# KiCad board Kanagawa_rgb_ansi.kicad_pcb
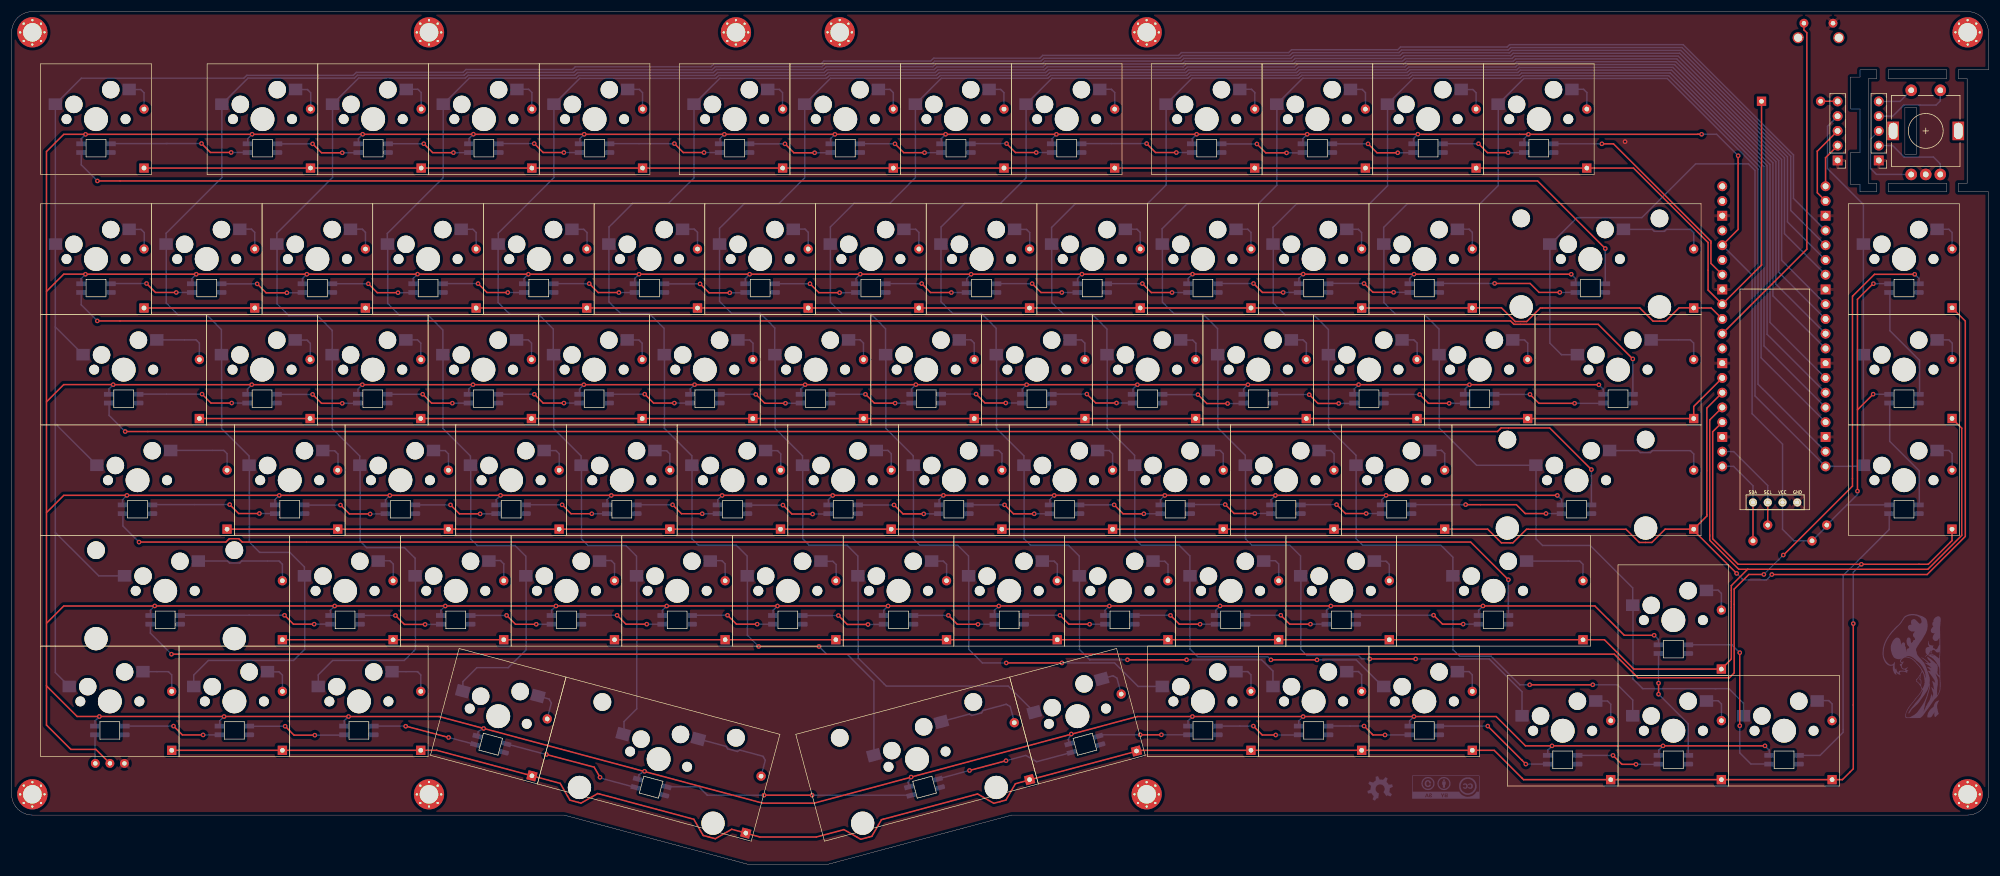
[diagram p0: board, top side]
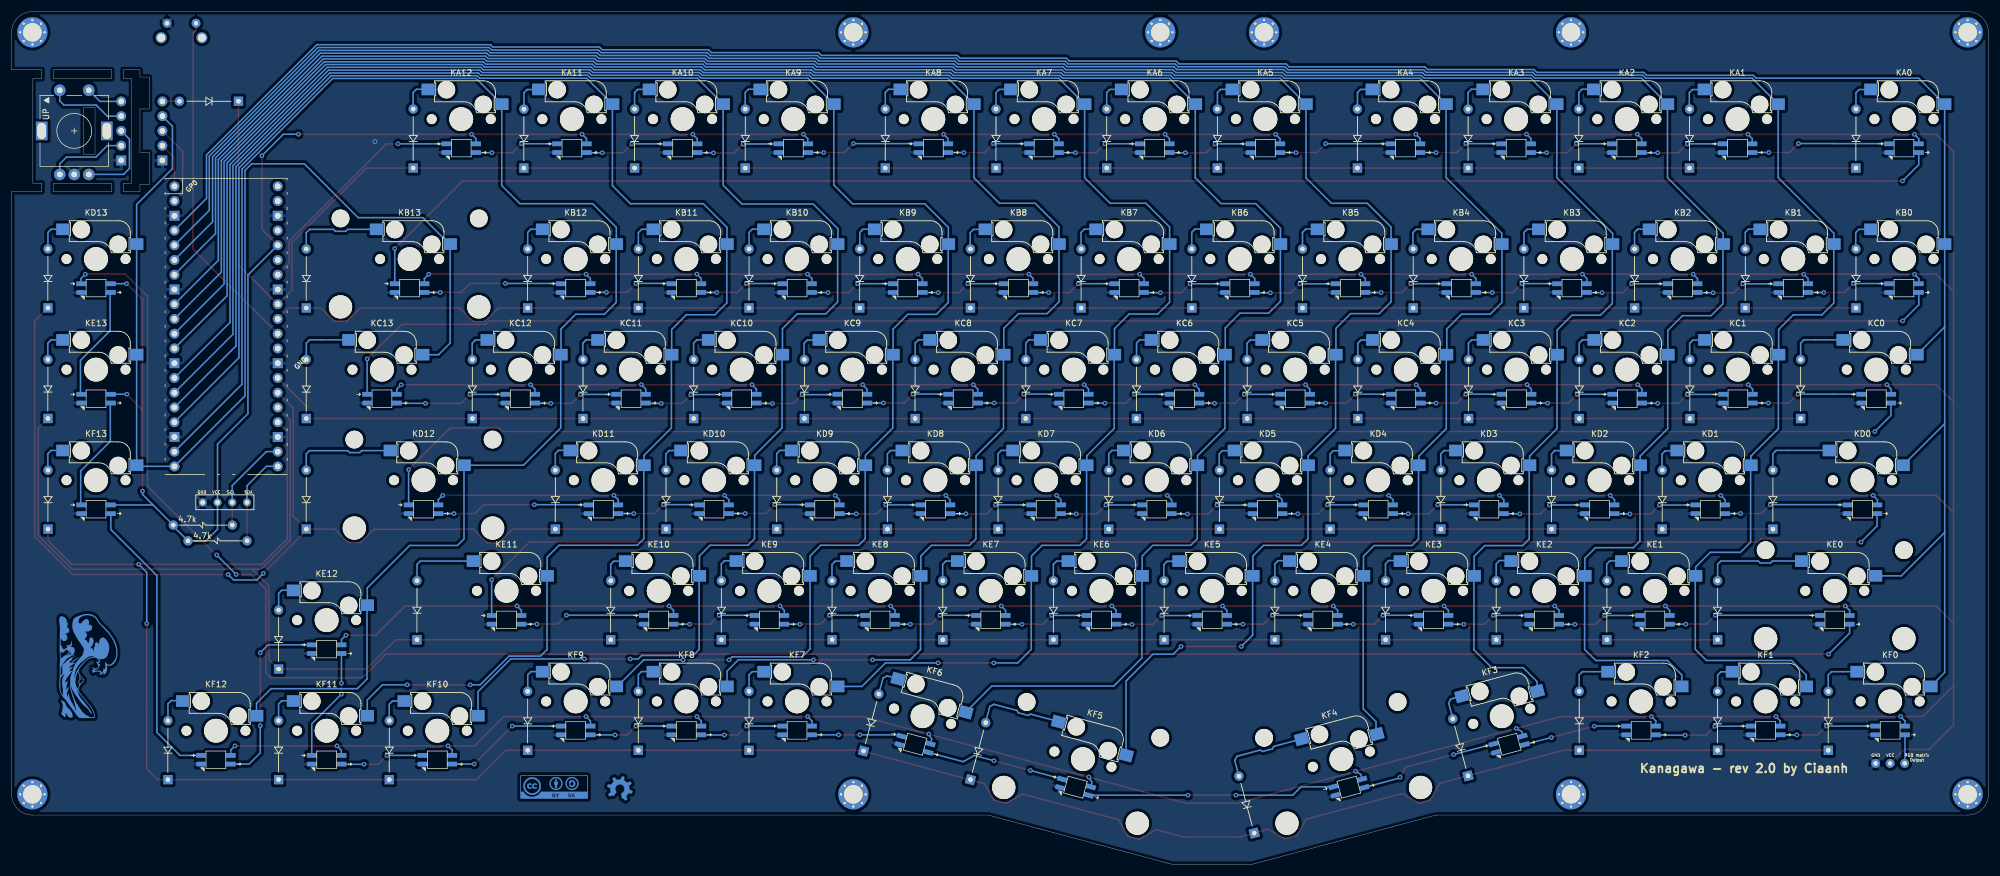
[diagram p1: board, bottom side, seen from below]

Outline 340.2 x 146.9 mm; copper layers: Top, Bottom. Coordinates in mm from the lower left corner of the outline.
Outline path: 0,143.33 arc(1.05,145.85) 3.57,146.9 336.63,146.9 arc(339.15,145.85) 340.2,143.33 340.2,136.87 335,136.87 335,135.35 336.54,135.35 336.54,117.35 335,117.35 335,115.87 340.2,115.87 340.2,12.07 arc(339.15,9.55) 336.63,8.5 172.14,8.5 140.42,0 126.76,0 95.04,8.5 3.57,8.5 arc(1.05,9.55) 0,12.07 0,143.33 ; 316.51,135.62 318.11,135.62 318.11,136.87 321,136.87 321,135.35 319.54,135.35 319.54,117.35 321,117.35 321,115.87 318.11,115.87 318.11,117.12 316.51,117.12 316.51,122.62 318.11,122.62 318.11,130.12 316.51,130.12 316.51,135.62 ; 323,136.87 333,136.87 333,135.35 323,135.35 323,136.87 ; 323,117.35 333,117.35 333,115.87 323,115.87 323,117.35 ; 325.84,130.35 325.84,122.35 327.84,122.35 327.84,130.35 325.84,130.35

## Placement (name value [footprint] x y rotation side)
DA0  D  [Diode_THT]  24.05 118.85 90 top
DA1  D  [Diode_THT]  52.7 118.85 90 top
DA2  D  [Diode_THT]  71.75 118.85 90 top
DA3  D  [Diode_THT]  90.8 118.85 90 top
DA4  D  [Diode_THT]  109.85 118.85 90 top
DA5  D  [Diode_THT]  133.95 118.85 90 top
DA6  D  [Diode_THT]  153 118.85 90 top
DA7  D  [Diode_THT]  172.05 118.85 90 top
DA8  D  [Diode_THT]  191.1 118.85 90 top
DA9  D  [Diode_THT]  215.2 118.85 90 top
DA10  D  [Diode_THT]  234.25 118.85 90 top
DA11  D  [Diode_THT]  253.3 118.85 90 top
DA12  D  [Diode_THT]  272.35 118.85 90 top
DA13  D  [Diode_THT]  300.06 130.2 0 top
DB0  D  [Diode_THT]  24.05 94.75 90 top
DB1  D  [Diode_THT]  43.1 94.75 90 top
DB2  D  [Diode_THT]  62.15 94.75 90 top
DB3  D  [Diode_THT]  81.2 94.75 90 top
DB4  D  [Diode_THT]  100.25 94.75 90 top
DB5  D  [Diode_THT]  119.3 94.75 90 top
DB6  D  [Diode_THT]  138.35 94.75 90 top
DB7  D  [Diode_THT]  157.4 94.75 90 top
DB8  D  [Diode_THT]  176.45 94.75 90 top
DB9  D  [Diode_THT]  195.5 94.75 90 top
DB10  D  [Diode_THT]  214.55 94.75 90 top
DB11  D  [Diode_THT]  233.6 94.75 90 top
DB12  D  [Diode_THT]  252.65 94.75 90 top
DB13  D  [Diode_THT]  290.75 94.75 90 top
DC0  D  [Diode_THT]  33.58 75.7 90 top
DC1  D  [Diode_THT]  52.62 75.7 90 top
DC2  D  [Diode_THT]  71.67 75.7 90 top
DC3  D  [Diode_THT]  90.72 75.7 90 top
DC4  D  [Diode_THT]  109.78 75.7 90 top
DC5  D  [Diode_THT]  128.82 75.7 90 top
DC6  D  [Diode_THT]  147.88 75.7 90 top
DC7  D  [Diode_THT]  166.93 75.7 90 top
DC8  D  [Diode_THT]  185.97 75.7 90 top
DC9  D  [Diode_THT]  205.03 75.7 90 top
DC10  D  [Diode_THT]  224.07 75.7 90 top
DC11  D  [Diode_THT]  243.12 75.7 90 top
DC12  D  [Diode_THT]  262.18 75.7 90 top
DC13  D  [Diode_THT]  290.75 75.7 90 top
DD0  D  [Diode_THT]  38.34 56.65 90 top
DD1  D  [Diode_THT]  57.39 56.65 90 top
DD2  D  [Diode_THT]  76.44 56.65 90 top
DD3  D  [Diode_THT]  95.49 56.65 90 top
DD4  D  [Diode_THT]  114.54 56.65 90 top
DD5  D  [Diode_THT]  133.59 56.65 90 top
DD6  D  [Diode_THT]  152.64 56.65 90 top
DD7  D  [Diode_THT]  171.69 56.65 90 top
DD8  D  [Diode_THT]  190.74 56.65 90 top
DD9  D  [Diode_THT]  209.79 56.65 90 top
DD10  D  [Diode_THT]  228.84 56.65 90 top
DD11  D  [Diode_THT]  247.89 56.65 90 top
DD12  D  [Diode_THT]  290.75 56.65 90 top
DD13  D  [Diode_THT]  335.21 94.76 90 top
DE0  D  [Diode_THT]  47.86 37.6 90 top
DE1  D  [Diode_THT]  66.91 37.6 90 top
DE2  D  [Diode_THT]  85.96 37.6 90 top
DE3  D  [Diode_THT]  105.01 37.6 90 top
DE4  D  [Diode_THT]  124.06 37.6 90 top
DE5  D  [Diode_THT]  143.11 37.6 90 top
DE6  D  [Diode_THT]  162.16 37.6 90 top
DE7  D  [Diode_THT]  181.21 37.6 90 top
DE8  D  [Diode_THT]  200.26 37.6 90 top
DE9  D  [Diode_THT]  219.31 37.6 90 top
DE10  D  [Diode_THT]  238.36 37.6 90 top
DE11  D  [Diode_THT]  271.7 37.6 90 top
DE12  D  [Diode_THT]  295.51 32.55 90 top
DE13  D  [Diode_THT]  335.21 75.71 90 top
DF0  D  [Diode_THT]  28.81 18.55 90 top
DF1  D  [Diode_THT]  47.86 18.55 90 top
DF2  D  [Diode_THT]  71.67 18.55 90 top
DF3  D  [Diode_THT]  90.48 13.86 75 top
DF4  D  [Diode_THT]  127.29 4 75 top
DF5  D  [Diode_THT]  176.69 13.86 105 top
DF6  D  [Diode_THT]  195.09 18.79 105 top
DF7  D  [Diode_THT]  214.55 18.55 90 top
DF8  D  [Diode_THT]  233.6 18.55 90 top
DF9  D  [Diode_THT]  252.65 18.55 90 top
DF10  D  [Diode_THT]  276.46 13.5 90 top
DF11  D  [Diode_THT]  295.51 13.5 90 top
DF12  D  [Diode_THT]  314.56 13.5 90 top
DF13  D  [Diode_THT]  335.2 56.65 90 top
G***  oshw_logo  [oshw]  235.46 13.23 195 bottom
G***#2  cc_logo  [cc]  246.83 13.35 180 bottom
J1  Oled128x32  [OLED_128x32_I2C]  297.45 61.1 90 top
J2  Conn_01x05  [PinHeader_1x05_P2.54mm_Vertical]  321.34 121.27 180 top
J3  Conn_01x05  [PinHeader_1x05_P2.54mm_Vertical]  314.26 121.27 180 top
J5  RGB_Out  [conn_3pins]  16.91 17.4 0 top
KA0  KEY_SW  [SW_Cherry_MX_1.00u_SK6812MINI-E_Hotswap]  5 137.9 0 top
KA1  KEY_SW  [SW_Cherry_MX_1.00u_SK6812MINI-E_Hotswap]  33.65 137.9 0 top
KA2  KEY_SW  [SW_Cherry_MX_1.00u_SK6812MINI-E_Hotswap]  52.7 137.9 0 top
KA3  KEY_SW  [SW_Cherry_MX_1.00u_SK6812MINI-E_Hotswap]  71.75 137.9 0 top
KA4  KEY_SW  [SW_Cherry_MX_1.00u_SK6812MINI-E_Hotswap]  90.8 137.9 0 top
KA5  KEY_SW  [SW_Cherry_MX_1.00u_SK6812MINI-E_Hotswap]  114.9 137.9 0 top
KA6  KEY_SW  [SW_Cherry_MX_1.00u_SK6812MINI-E_Hotswap]  133.95 137.9 0 top
KA7  KEY_SW  [SW_Cherry_MX_1.00u_SK6812MINI-E_Hotswap]  153 137.9 0 top
KA8  KEY_SW  [SW_Cherry_MX_1.00u_SK6812MINI-E_Hotswap]  172.05 137.9 0 top
KA9  KEY_SW  [SW_Cherry_MX_1.00u_SK6812MINI-E_Hotswap]  196.15 137.9 0 top
KA10  KEY_SW  [SW_Cherry_MX_1.00u_SK6812MINI-E_Hotswap]  215.2 137.9 0 top
KA11  KEY_SW  [SW_Cherry_MX_1.00u_SK6812MINI-E_Hotswap]  234.25 137.9 0 top
KA12  KEY_SW  [SW_Cherry_MX_1.00u_SK6812MINI-E_Hotswap]  253.3 137.9 0 top
KB0  KEY_SW  [SW_Cherry_MX_1.00u_SK6812MINI-E_Hotswap]  5 113.8 0 top
KB1  KEY_SW  [SW_Cherry_MX_1.00u_SK6812MINI-E_Hotswap]  24.05 113.8 0 top
KB2  KEY_SW  [SW_Cherry_MX_1.00u_SK6812MINI-E_Hotswap]  43.1 113.8 0 top
KB3  KEY_SW  [SW_Cherry_MX_1.00u_SK6812MINI-E_Hotswap]  62.15 113.8 0 top
KB4  KEY_SW  [SW_Cherry_MX_1.00u_SK6812MINI-E_Hotswap]  81.2 113.8 0 top
KB5  KEY_SW  [SW_Cherry_MX_1.00u_SK6812MINI-E_Hotswap]  100.25 113.8 0 top
KB6  KEY_SW  [SW_Cherry_MX_1.00u_SK6812MINI-E_Hotswap]  119.3 113.8 0 top
KB7  KEY_SW  [SW_Cherry_MX_1.00u_SK6812MINI-E_Hotswap]  138.35 113.8 0 top
KB8  KEY_SW  [SW_Cherry_MX_1.00u_SK6812MINI-E_Hotswap]  157.4 113.8 0 top
KB9  KEY_SW  [SW_Cherry_MX_1.00u_SK6812MINI-E_Hotswap]  176.45 113.8 0 top
KB10  KEY_SW  [SW_Cherry_MX_1.00u_SK6812MINI-E_Hotswap]  195.5 113.8 0 top
KB11  KEY_SW  [SW_Cherry_MX_1.00u_SK6812MINI-E_Hotswap]  214.55 113.8 0 top
KB12  KEY_SW  [SW_Cherry_MX_1.00u_SK6812MINI-E_Hotswap]  233.6 113.8 0 top
KB13  KEY_SW  [SW_Cherry_MX_2.00u_SK6812MINI-E_Hotswap]  252.65 113.8 0 top
KC0  KEY_SW  [SW_Cherry_MX_1.50u_SK6812MINI-E_Hotswap]  5 94.75 0 top
KC1  KEY_SW  [SW_Cherry_MX_1.00u_SK6812MINI-E_Hotswap]  33.58 94.75 0 top
KC2  KEY_SW  [SW_Cherry_MX_1.00u_SK6812MINI-E_Hotswap]  52.62 94.75 0 top
KC3  KEY_SW  [SW_Cherry_MX_1.00u_SK6812MINI-E_Hotswap]  71.67 94.75 0 top
KC4  KEY_SW  [SW_Cherry_MX_1.00u_SK6812MINI-E_Hotswap]  90.72 94.75 0 top
KC5  KEY_SW  [SW_Cherry_MX_1.00u_SK6812MINI-E_Hotswap]  109.78 94.75 0 top
KC6  KEY_SW  [SW_Cherry_MX_1.00u_SK6812MINI-E_Hotswap]  128.82 94.75 0 top
KC7  KEY_SW  [SW_Cherry_MX_1.00u_SK6812MINI-E_Hotswap]  147.88 94.75 0 top
KC8  KEY_SW  [SW_Cherry_MX_1.00u_SK6812MINI-E_Hotswap]  166.93 94.75 0 top
KC9  KEY_SW  [SW_Cherry_MX_1.00u_SK6812MINI-E_Hotswap]  185.97 94.75 0 top
KC10  KEY_SW  [SW_Cherry_MX_1.00u_SK6812MINI-E_Hotswap]  205.03 94.75 0 top
KC11  KEY_SW  [SW_Cherry_MX_1.00u_SK6812MINI-E_Hotswap]  224.07 94.75 0 top
KC12  KEY_SW  [SW_Cherry_MX_1.00u_SK6812MINI-E_Hotswap]  243.12 94.75 0 top
KC13  KEY_SW  [SW_Cherry_MX_1.50u_SK6812MINI-E_Hotswap]  262.18 94.75 0 top
KD0  KEY_SW  [SW_Cherry_MX_1.75u_SK6812MINI-E_Hotswap]  5 75.7 0 top
KD1  KEY_SW  [SW_Cherry_MX_1.00u_SK6812MINI-E_Hotswap]  38.34 75.7 0 top
KD2  KEY_SW  [SW_Cherry_MX_1.00u_SK6812MINI-E_Hotswap]  57.39 75.7 0 top
KD3  KEY_SW  [SW_Cherry_MX_1.00u_SK6812MINI-E_Hotswap]  76.44 75.7 0 top
KD4  KEY_SW  [SW_Cherry_MX_1.00u_SK6812MINI-E_Hotswap]  95.49 75.7 0 top
KD5  KEY_SW  [SW_Cherry_MX_1.00u_SK6812MINI-E_Hotswap]  114.54 75.7 0 top
KD6  KEY_SW  [SW_Cherry_MX_1.00u_SK6812MINI-E_Hotswap]  133.59 75.7 0 top
KD7  KEY_SW  [SW_Cherry_MX_1.00u_SK6812MINI-E_Hotswap]  152.64 75.7 0 top
KD8  KEY_SW  [SW_Cherry_MX_1.00u_SK6812MINI-E_Hotswap]  171.69 75.7 0 top
KD9  KEY_SW  [SW_Cherry_MX_1.00u_SK6812MINI-E_Hotswap]  190.74 75.7 0 top
KD10  KEY_SW  [SW_Cherry_MX_1.00u_SK6812MINI-E_Hotswap]  209.79 75.7 0 top
KD11  KEY_SW  [SW_Cherry_MX_1.00u_SK6812MINI-E_Hotswap]  228.84 75.7 0 top
KD12  KEY_SW  [SW_Cherry_MX_2.25u_SK6812MINI-E_Hotswap]  247.89 75.7 0 top
KD13  KEY_SW  [SW_Cherry_MX_1.00u_SK6812MINI-E_Hotswap]  316.15 113.8 0 top
KE0  KEY_SW  [SW_Cherry_MX_2.25u_SK6812MINI-E_Hotswap]  5 56.65 0 top
KE1  KEY_SW  [SW_Cherry_MX_1.00u_SK6812MINI-E_Hotswap]  47.86 56.65 0 top
KE2  KEY_SW  [SW_Cherry_MX_1.00u_SK6812MINI-E_Hotswap]  66.91 56.65 0 top
KE3  KEY_SW  [SW_Cherry_MX_1.00u_SK6812MINI-E_Hotswap]  85.96 56.65 0 top
KE4  KEY_SW  [SW_Cherry_MX_1.00u_SK6812MINI-E_Hotswap]  105.01 56.65 0 top
KE5  KEY_SW  [SW_Cherry_MX_1.00u_SK6812MINI-E_Hotswap]  124.06 56.65 0 top
KE6  KEY_SW  [SW_Cherry_MX_1.00u_SK6812MINI-E_Hotswap]  143.11 56.65 0 top
KE7  KEY_SW  [SW_Cherry_MX_1.00u_SK6812MINI-E_Hotswap]  162.16 56.65 0 top
KE8  KEY_SW  [SW_Cherry_MX_1.00u_SK6812MINI-E_Hotswap]  181.21 56.65 0 top
KE9  KEY_SW  [SW_Cherry_MX_1.00u_SK6812MINI-E_Hotswap]  200.26 56.65 0 top
KE10  KEY_SW  [SW_Cherry_MX_1.00u_SK6812MINI-E_Hotswap]  219.31 56.65 0 top
KE11  KEY_SW  [SW_Cherry_MX_1.75u_SK6812MINI-E_Hotswap]  238.36 56.65 0 top
KE12  KEY_SW  [SW_Cherry_MX_1.00u_SK6812MINI-E_Hotswap]  276.46 51.6 0 top
KE13  KEY_SW  [SW_Cherry_MX_1.00u_SK6812MINI-E_Hotswap]  316.15 94.75 0 top
KF0  KEY_SW  [SW_Cherry_MX_1.25u_SK6812MINI-E_Hotswap]  5 37.6 0 top
KF1  KEY_SW  [SW_Cherry_MX_1.00u_SK6812MINI-E_Hotswap]  28.81 37.6 0 top
KF2  KEY_SW  [SW_Cherry_MX_1.25u_SK6812MINI-E_Hotswap]  47.86 37.6 0 top
KF3  KEY_SW  [SW_Cherry_MX_1.00u_SK6812MINI-E_Hotswap]  77.01 37.19 345 top
KF4  KEY_SW  [SW_Cherry_MX_2.00u_SK6812MINI-E_Hotswap]  95.41 32.26 345 top
KF5  KEY_SW  [SW_Cherry_MX_2.00u_SK6812MINI-E_Hotswap]  134.96 22.4 15 top
KF6  KEY_SW  [SW_Cherry_MX_1.00u_SK6812MINI-E_Hotswap]  171.76 32.26 15 top
KF7  KEY_SW  [SW_Cherry_MX_1.00u_SK6812MINI-E_Hotswap]  195.5 37.6 0 top
KF8  KEY_SW  [SW_Cherry_MX_1.00u_SK6812MINI-E_Hotswap]  214.55 37.6 0 top
KF9  KEY_SW  [SW_Cherry_MX_1.00u_SK6812MINI-E_Hotswap]  233.6 37.6 0 top
KF10  KEY_SW  [SW_Cherry_MX_1.00u_SK6812MINI-E_Hotswap]  257.41 32.55 0 top
KF11  KEY_SW  [SW_Cherry_MX_1.00u_SK6812MINI-E_Hotswap]  276.46 32.55 0 top
KF12  KEY_SW  [SW_Cherry_MX_1.00u_SK6812MINI-E_Hotswap]  295.51 32.55 0 top
KF13  KEY_SW  [SW_Cherry_MX_1.00u_SK6812MINI-E_Hotswap]  316.15 75.7 0 top
LogoTopMiddleFront  LOGO  [Wave_mask]  327.75 34.23 270 bottom
MountBase1  MountingHole USB breakout  [MountingHole_3.2mm_M2_Pad_Via]  124.66 143.33 0 top
MountBase2  MountingHole USB breakout  [MountingHole_3.2mm_M2_Pad_Via]  142.52 143.33 0 top
MountBaseMiddleTop1  MountingHole  [MountingHole_3.2mm_M2_Pad_Via]  3.57 143.33 0 top
MountBaseMiddleTop2  MountingHole  [MountingHole_3.2mm_M2_Pad_Via]  3.57 12.07 0 top
MountBaseMiddleTop3  MountingHole  [MountingHole_3.2mm_M2_Pad_Via]  71.83 143.33 0 top
MountBaseMiddleTop4  MountingHole  [MountingHole_3.2mm_M2_Pad_Via]  71.83 12.07 0 top
MountBaseMiddleTop5  MountingHole  [MountingHole_3.2mm_M2_Pad_Via]  195.34 143.33 0 top
MountBaseMiddleTop6  MountingHole  [MountingHole_3.2mm_M2_Pad_Via]  195.34 12.07 0 top
MountBaseMiddleTop7  MountingHole  [MountingHole_3.2mm_M2_Pad_Via]  336.63 143.33 0 top
MountBaseMiddleTop8  MountingHole  [MountingHole_3.2mm_M2_Pad_Via]  336.63 12.07 0 top
R1  4.7k  [Resistors_THT]  299.69 55.73 0 top
R2  4.7k  [Resistors_THT]  302.22 58.45 0 top
RSW0  -  [SW_RST]  310.96 144.9 0 top
SWA13  Rotary_Encoder_Switch  [RotaryEncoder_Alps_EC11E-Switch_Vertical_H20mm]  329.42 126.35 90 top
U1  Pico  [RPi_Pico_TH]  303.29 92.68 180 bottom

## Library data of the parts
KA0-KA12 KB0-KB12 KC1-KC12 KD1-KD11 KD13 KE1-KE10 KE12 KE13 KF1 KF3 KF6-KF13 = -: Field4: D?; Field5: SW_PUSH
KB13 KF4 KF5 = -: Field4: D?; Field5: D?
KC0 KC13 KD0 KD12 KE0 KE11 KF0 KF2 = -: Field4: D?
U1 = -: Field4: GP9; Field5: GP17; Field6: GP13; Field7: RUN; Field8: 3V3; Field9: VBUS; Field10: GP19; Field11: GP3; Field12: GP20; Field13: 3V3_EN; Field14: GP22; Field15: GP1; Field16: GP2; Field17: GP15; Field18: GP11; Field19: GP4; Field20: GP7; Field21: GP21; Field22: GP10; Field23: VSYS; Field24: ADC_VREF; Field25: GP18; Field26: GP12; Field27: GND; Field28: GP27; Field29: AGND; Field30: GP14; Field31: GP6; Field32: GP26; Field33: GP8; Field34: GP28; Field35: GP5; Field36: GP16; Field37: Copper Keepouts shown on Dwgs layer

## Footprints (pads in the part's own frame, mm; a bottom-side part is the same pattern mirrored in y, then rotated)
conn_3pins
  round 1.524 hole 0.762: 1(-2.5,0) 2(0,0) 3(2.5,0)
Diode_THT
  rect 1.6x1.6 hole 0.8: 1(1.1,1.263)
  oval 1.6x1.6 hole 0.8: 2(11.26,1.263)
MountingHole_3.2mm_M2_Pad_Via
  round 0.7 hole 0.4: 1(-2.1,0) 1(-1.49,1.49) 1(-1.49,-1.49) 1(0,2.1) 1(0,-2.1) 1(1.49,1.49) 1(1.49,-1.49) 1(2.1,0)
  round 5.2 hole 3.2: 1(0,0)
OLED_128x32_I2C
  round 1.397 hole 0.813: 1(1.25,-9.86) 2(1.25,-7.32) 3(1.25,-4.78) 4(1.25,-2.24)
PinHeader_1x05_P2.54mm_Vertical
  rect 1.7x1.7 hole 1: 1(0,0)
  oval 1.7x1.7 hole 1: 2(0,-2.54) 3(0,-5.08) 4(0,-7.62) 5(0,-10.16)
Resistors_THT
  round 1.6 hole 0.8: 1(0,0)
  oval 1.6x1.6 hole 0.8: 2(10.16,0)
RotaryEncoder_Alps_EC11E-Switch_Vertical_H20mm
  round 2 hole 1: A(-7.5,2.5) B(-7.5,-2.5) C(-7.5,0) S1(7,-2.5) S2(7,2.5)
  rect 3.2x2 hole 2.8x1.5: MP(0,5.6) MP(0,-5.6)
RPi_Pico_TH
  oval 1.7x1.7 hole 1.02: 1(-8.89,24.13) 2(-8.89,21.59) 4(-8.89,16.51) 5(-8.89,13.97) 6(-8.89,11.43) 7(-8.89,8.89) 9(-8.89,3.81) 10(-8.89,1.27) 11(-8.89,-1.27) 12(-8.89,-3.81) 14(-8.89,-8.89) 15(-8.89,-11.43) 16(-8.89,-13.97) 17(-8.89,-16.51) 19(-8.89,-21.59) 20(-8.89,-24.13) 21(8.89,-24.13) 22(8.89,-21.59) 24(8.89,-16.51) 25(8.89,-13.97) 26(8.89,-11.43) 27(8.89,-8.89) 29(8.89,-3.81) 30(8.89,-1.27) 31(8.89,1.27) 32(8.89,3.81) 34(8.89,8.89) 35(8.89,11.43) 36(8.89,13.97) 37(8.89,16.51) 39(8.89,21.59) 40(8.89,24.13)
  rect 1.7x1.7 hole 1.02: 3(-8.89,19.05) 8(-8.89,6.35) 13(-8.89,-6.35) 18(-8.89,-19.05) 23(8.89,-19.05) 28(8.89,-6.35) 33(8.89,6.35) 38(8.89,19.05)
SW_Cherry_MX_1.00u_SK6812MINI-E_Hotswap
  round 1.7 hole 1.7 unplated: (4.445,-9.525) (14.605,-9.525)
  round 3 hole 3 unplated: (5.715,-6.985) (12.065,-4.445)
  round 4.1 hole 4.1 unplated: (9.525,-9.525)
  rect 2.3x2 smd far side: 1(2.525,-6.945) 2(15.225,-4.405)
  rect 1.7x0.82 smd far side: 3(6.975,-13.775) 4(6.975,-15.275) 6(12.075,-13.775)
  rrect 1.7x0.82 smd far side: 5(12.075,-15.275)
SW_Cherry_MX_1.25u_SK6812MINI-E_Hotswap
  round 1.7 hole 1.7 unplated: (6.826,-9.525) (16.986,-9.525)
  round 3 hole 3 unplated: (8.096,-6.985) (14.446,-4.445)
  round 4.1 hole 4.1 unplated: (11.906,-9.525)
  rect 2.3x2 smd far side: 1(4.906,-6.945) 2(17.606,-4.405)
  rect 1.7x0.82 smd far side: 3(9.356,-13.775) 4(9.356,-15.275) 6(14.456,-13.775)
  rrect 1.7x0.82 smd far side: 5(14.456,-15.275)
SW_Cherry_MX_1.50u_SK6812MINI-E_Hotswap
  round 1.7 hole 1.7 unplated: (9.207,-9.525) (19.367,-9.525)
  round 3 hole 3 unplated: (10.477,-6.985) (16.828,-4.445)
  round 4.1 hole 4.1 unplated: (14.287,-9.525)
  rect 2.3x2 smd far side: 1(7.287,-6.945) 2(19.988,-4.405)
  rect 1.7x0.82 smd far side: 3(11.738,-13.775) 4(11.738,-15.275) 6(16.837,-13.775)
  rrect 1.7x0.82 smd far side: 5(16.837,-15.275)
SW_Cherry_MX_1.75u_SK6812MINI-E_Hotswap
  round 1.7 hole 1.7 unplated: (11.589,-9.525) (21.749,-9.525)
  round 3 hole 3 unplated: (12.859,-6.985) (19.209,-4.445)
  round 4.1 hole 4.1 unplated: (16.669,-9.525)
  rect 2.3x2 smd far side: 1(9.669,-6.945) 2(22.369,-4.405)
  rect 1.7x0.82 smd far side: 3(14.119,-13.775) 4(14.119,-15.275) 6(19.219,-13.775)
  rrect 1.7x0.82 smd far side: 5(19.219,-15.275)
SW_Cherry_MX_2.00u_SK6812MINI-E_Hotswap
  round 3.05 hole 3.05 unplated: (7.15,-2.525) (30.95,-2.525)
  round 4 hole 4 unplated: (7.15,-17.765) (30.95,-17.765)
  round 1.7 hole 1.7 unplated: (13.97,-9.525) (24.13,-9.525)
  round 3 hole 3 unplated: (15.24,-6.985) (21.59,-4.445)
  round 4.1 hole 4.1 unplated: (19.05,-9.525)
  rect 2.3x2 smd far side: 1(12.05,-6.945) 2(24.75,-4.405)
  rect 1.7x0.82 smd far side: 3(16.5,-13.775) 4(16.5,-15.275) 6(21.6,-13.775)
  rrect 1.7x0.82 smd far side: 5(21.6,-15.275)
SW_Cherry_MX_2.25u_SK6812MINI-E_Hotswap
  round 3.05 hole 3.05 unplated: (9.531,-2.525) (33.331,-2.525)
  round 4 hole 4 unplated: (9.531,-17.765) (33.331,-17.765)
  round 1.7 hole 1.7 unplated: (16.351,-9.525) (26.511,-9.525)
  round 3 hole 3 unplated: (17.621,-6.985) (23.971,-4.445)
  round 4.1 hole 4.1 unplated: (21.431,-9.525)
  rect 2.3x2 smd far side: 1(14.431,-6.945) 2(27.131,-4.405)
  rect 1.7x0.82 smd far side: 3(18.881,-13.775) 4(18.881,-15.275) 6(23.981,-13.775)
  rrect 1.7x0.82 smd far side: 5(23.981,-15.275)
SW_RST
  round 1.524 hole 0.762: 1(-2.5,0) 2(2.5,0)
  round 1.9 hole 1.4: 3(-3.5,-2.5) 3(3.5,-2.5)

## Nets
GND: J1.1 J2.1 J3.1 J5.3 KA0.5 KA1.5 KA2.5 KA3.5 KA4.5 KA5.5 KA6.5 KA7.5 KA8.5 KA9.5 KA10.5 KA11.5 KA12.5 KB0.5 KB1.5 KB2.5 KB3.5 KB4.5 KB5.5 KB6.5 KB7.5 KB8.5 KB9.5 KB10.5 KB11.5 KB12.5 KB13.5 KC0.5 KC1.5 KC2.5 KC3.5 KC4.5 KC5.5 KC6.5 KC7.5 KC8.5 KC9.5 KC10.5 KC11.5 KC12.5 KC13.5 KD0.5 KD1.5 KD2.5 KD3.5 KD4.5 KD5.5 KD6.5 KD7.5 KD8.5 KD9.5 KD10.5 KD11.5 KD12.5 KD13.5 KE0.5 KE1.5 KE2.5 KE3.5 KE4.5 KE5.5 KE6.5 KE7.5 KE8.5 KE9.5 KE10.5 KE11.5 KE12.5 KE13.5 KF0.5 KF1.5 KF2.5 KF3.5 KF4.5 KF5.5 KF6.5 KF7.5 KF8.5 KF9.5 KF10.5 KF11.5 KF12.5 KF13.5 RSW0.2 SWA13.C U1.3 U1.8 U1.13 U1.18 U1.23 U1.28 U1.33 U1.38
VCC: J1.2 J5.2 KA0.3 KA1.3 KA2.3 KA3.3 KA4.3 KA5.3 KA6.3 KA7.3 KA8.3 KA9.3 KA10.3 KA11.3 KA12.3 KB0.3 KB1.3 KB2.3 KB3.3 KB4.3 KB5.3 KB6.3 KB7.3 KB8.3 KB9.3 KB10.3 KB11.3 KB12.3 KB13.3 KC0.3 KC1.3 KC2.3 KC3.3 KC4.3 KC5.3 KC6.3 KC7.3 KC8.3 KC9.3 KC10.3 KC11.3 KC12.3 KC13.3 KD0.3 KD1.3 KD2.3 KD3.3 KD4.3 KD5.3 KD6.3 KD7.3 KD8.3 KD9.3 KD10.3 KD11.3 KD12.3 KD13.3 KE0.3 KE1.3 KE2.3 KE3.3 KE4.3 KE5.3 KE6.3 KE7.3 KE8.3 KE9.3 KE10.3 KE11.3 KE12.3 KE13.3 KF0.3 KF1.3 KF2.3 KF3.3 KF4.3 KF5.3 KF6.3 KF7.3 KF8.3 KF9.3 KF10.3 KF11.3 KF12.3 KF13.3 R1.2 R2.2 U1.36
/A: J2.3 SWA13.A
/B: J2.2 SWA13.B
/IN_A0: KA0.6 KA1.4
/IN_A1: KA1.6 KA2.4
/IN_A2: KA2.6 KA3.4
/IN_A3: KA3.6 KA4.4
/IN_A4: KA4.6 KA5.4
/IN_A5: KA5.6 KA6.4
/IN_A6: KA6.6 KA7.4
/IN_A7: KA7.6 KA8.4
/IN_A8: KA8.6 KA9.4
/IN_A9: KA9.6 KA10.4
/IN_A10: KA10.6 KA11.4
/IN_A11: KA11.6 KA12.4
/IN_B0: KB0.6 KB1.4
/IN_B1: KB1.6 KB2.4
/IN_B2: KB2.6 KB3.4
/IN_B3: KB3.6 KB4.4
/IN_B4: KB4.6 KB5.4
/IN_B5: KB5.6 KB6.4
/IN_B6: KB6.6 KB7.4
/IN_B7: KB7.6 KB8.4
/IN_B8: KB8.6 KB9.4
/IN_B9: KB9.6 KB10.4
/IN_B10: KB10.6 KB11.4
/IN_B11: KB11.6 KB12.4
/IN_B12: KB12.6 KB13.4
/IN_B13: KA0.4 KB13.6
/IN_C0: KC0.6 KC1.4
/IN_C1: KC1.6 KC2.4
/IN_C2: KC2.6 KC3.4
/IN_C3: KC3.6 KC4.4
/IN_C4: KC4.6 KC5.4
/IN_C5: KC5.6 KC6.4
/IN_C6: KC6.6 KC7.4
/IN_C7: KC7.6 KC8.4
/IN_C8: KC8.6 KC9.4
/IN_C9: KC9.6 KC10.4
/IN_C10: KC10.6 KC11.4
/IN_C11: KC11.6 KC12.4
/IN_C12: KC12.6 KC13.4
/IN_C13: KB0.4 KC13.6
/IN_D0: KD0.6 KD1.4
/IN_D1: KD1.6 KD2.4
/IN_D2: KD2.6 KD3.4
/IN_D3: KD3.6 KD4.4
/IN_D4: KD4.6 KD5.4
/IN_D5: KD5.6 KD6.4
/IN_D6: KD6.6 KD7.4
/IN_D7: KD7.6 KD8.4
/IN_D8: KD8.6 KD9.4
/IN_D9: KD9.6 KD10.4
/IN_D10: KD10.6 KD11.4
/IN_D11: KD11.6 KD12.4
/IN_D12: KC0.4 KD12.6
/IN_D13: KD13.6 KE0.4
/IN_E0: KE0.6 KE1.4
/IN_E1: KE1.6 KE2.4
/IN_E2: KE2.6 KE3.4
/IN_E3: KE3.6 KE4.4
/IN_E4: KE4.6 KE5.4
/IN_E5: KE5.6 KE6.4
/IN_E6: KE6.6 KE7.4
/IN_E7: KE7.6 KE8.4
/IN_E8: KE8.6 KE9.4
/IN_E9: KE9.6 KE10.4
/IN_E10: KE10.6 KE11.4
/IN_E11: KD0.4 KE11.6
/IN_E12: KE12.6 KF12.4
/IN_E13: KD13.4 KE13.6
/IN_F0: KF0.6 KF1.4
/IN_F1: KF1.6 KF2.4
/IN_F2: KF2.6 KF3.4
/IN_F3: KF3.6 KF4.4
/IN_F4: KF4.6 KF5.4
/IN_F5: KF5.6 KF6.4
/IN_F6: KF6.6 KF7.4
/IN_F7: KF7.6 KF8.4
/IN_F8: KF8.6 KF9.4
/IN_F9: KF9.6 KF10.4
/IN_F10: KF10.6 KF11.4
/IN_F11: KE12.4 KF11.6
/IN_F12: KF12.6 KF13.4
/IN_F13: KE13.4 KF13.6
/S1: J2.4 SWA13.S1
/S2: J2.5 SWA13.S2
/SW99B: DA13.2 J3.5
col00: KA0.1 KB0.1 KC0.1 KD0.1 KE0.1 KF0.1 U1.4
col01: KA1.1 KB1.1 KC1.1 KD1.1 KE1.1 KF1.1 U1.5
col02: KA2.1 KB2.1 KC2.1 KD2.1 KE2.1 KF2.1 U1.6
col03: KA3.1 KB3.1 KC3.1 KD3.1 KE3.1 KF3.1 U1.7
col04: KA4.1 KB4.1 KC4.1 KD4.1 KE4.1 KF4.1 U1.9
col05: KA5.1 KB5.1 KC5.1 KD5.1 KE5.1 KF5.1 U1.10
col06: KA6.1 KB6.1 KC6.1 KD6.1 KE6.1 KF6.1 U1.11
col07: KA7.1 KB7.1 KC7.1 KD7.1 KE7.1 KF7.1 U1.12
col08: KA8.1 KB8.1 KC8.1 KD8.1 KE8.1 KF8.1 U1.14
col09: KA9.1 KB9.1 KC9.1 KD9.1 KE9.1 KF9.1 U1.15
col10: KA10.1 KB10.1 KC10.1 KD10.1 KE10.1 KF10.1 U1.16
col11: KA11.1 KB11.1 KC11.1 KD11.1 KE11.1 KF11.1 U1.17
col12: KA12.1 KB12.1 KC12.1 KD12.1 KE12.1 KF12.1 U1.19
col13: J3.4 KB13.1 KC13.1 KD13.1 KE13.1 KF13.1 U1.20
ENCA: J3.3 U1.2
ENCB: J3.2 U1.1
RESET: RSW0.1 U1.30
RGB_Matrix: KA12.6 U1.34
RGB_Out: J5.1 KF0.4
row00: DA0.1 DA1.1 DA2.1 DA3.1 DA4.1 DA5.1 DA6.1 DA7.1 DA8.1 DA9.1 DA10.1 DA11.1 DA12.1 DA13.1 U1.32
row01: DB0.1 DB1.1 DB2.1 DB3.1 DB4.1 DB5.1 DB6.1 DB7.1 DB8.1 DB9.1 DB10.1 DB11.1 DB12.1 DB13.1 U1.31
row02: DC0.1 DC1.1 DC2.1 DC3.1 DC4.1 DC5.1 DC6.1 DC7.1 DC8.1 DC9.1 DC10.1 DC11.1 DC12.1 DC13.1 U1.27
row03: DD0.1 DD1.1 DD2.1 DD3.1 DD4.1 DD5.1 DD6.1 DD7.1 DD8.1 DD9.1 DD10.1 DD11.1 DD12.1 DD13.1 U1.26
row04: DE0.1 DE1.1 DE2.1 DE3.1 DE4.1 DE5.1 DE6.1 DE7.1 DE8.1 DE9.1 DE10.1 DE11.1 DE12.1 DE13.1 U1.25
row05: DF0.1 DF1.1 DF2.1 DF3.1 DF4.1 DF5.1 DF6.1 DF7.1 DF8.1 DF9.1 DF10.1 DF11.1 DF12.1 DF13.1 U1.24
SCL: J1.3 R2.1 U1.22
SDA: J1.4 R1.1 U1.21
Net-(DA0-Pad2): DA0.2 KA0.2
Net-(DA1-Pad2): DA1.2 KA1.2
Net-(DA2-Pad2): DA2.2 KA2.2
Net-(DA3-Pad2): DA3.2 KA3.2
Net-(DA4-Pad2): DA4.2 KA4.2
Net-(DA5-Pad2): DA5.2 KA5.2